# Altium PCB 400150.PcbDoc (part 1 of 3)
Units mil, origin at the board's own origin, x right, y up, seen from the top; angles counter-clockwise.
Board outline 4000 x 2500 mil, 4 copper layers (Top Layer, Mid-Layer 1, Mid-Layer 2, Bottom Layer), stack 62.293 mil thick; 195 components, 149 nets, 903 pads, 605 vias.
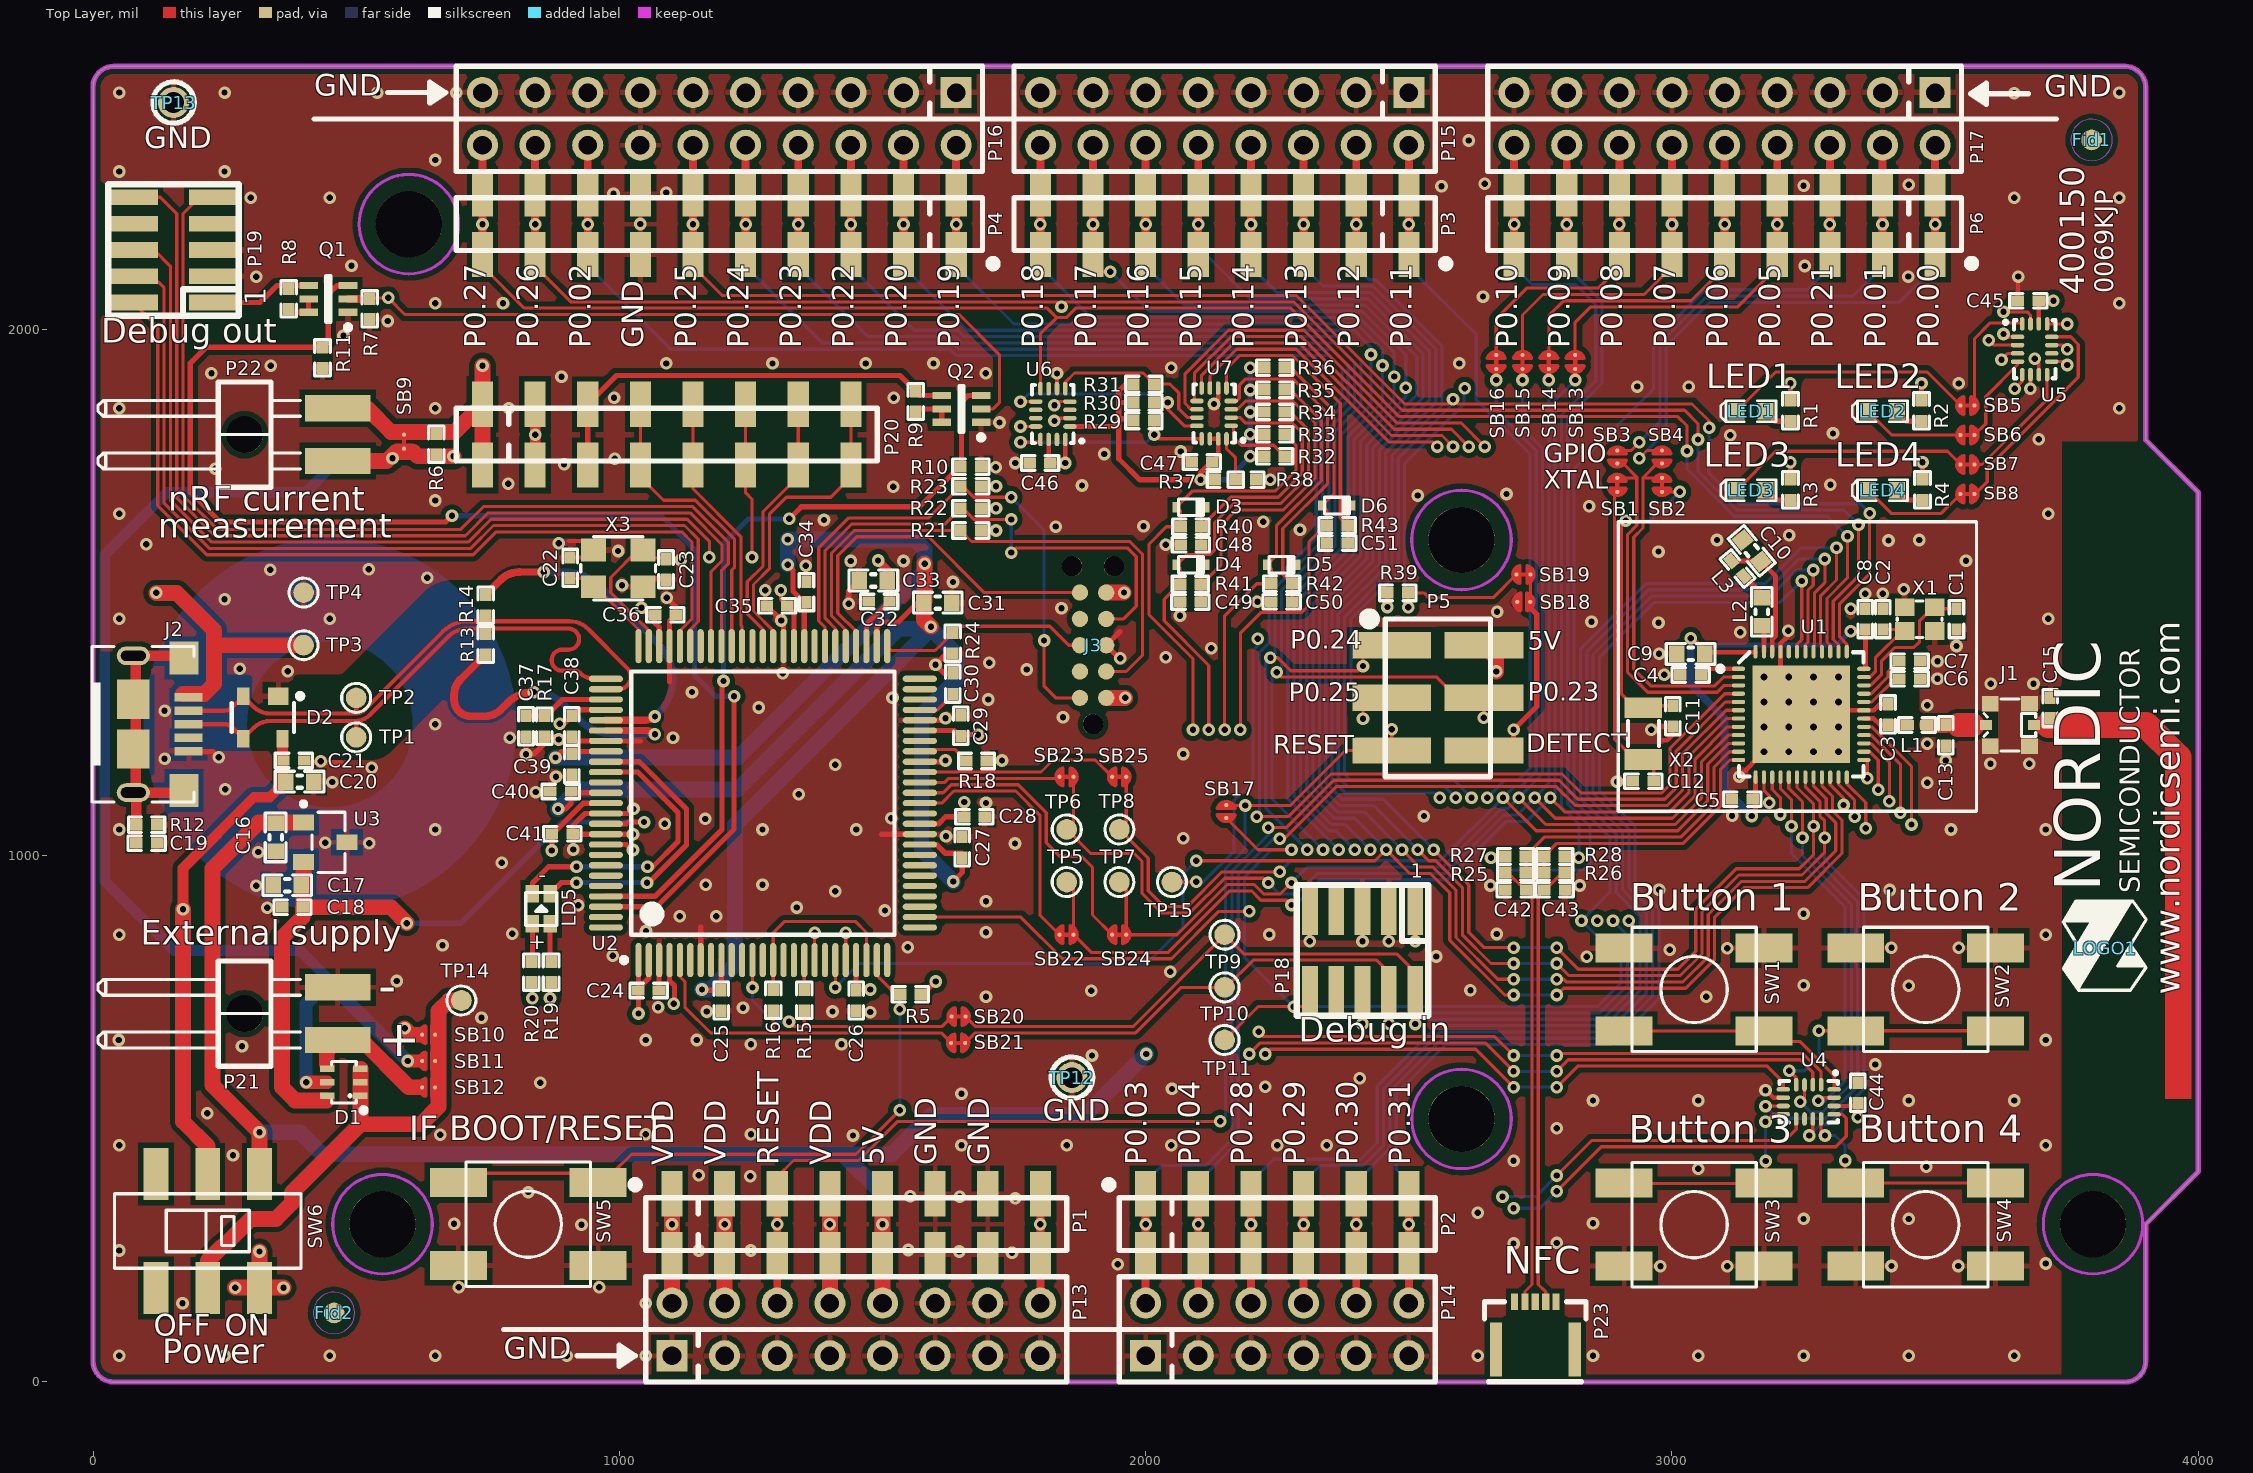
[diagram p0: Top Layer view]
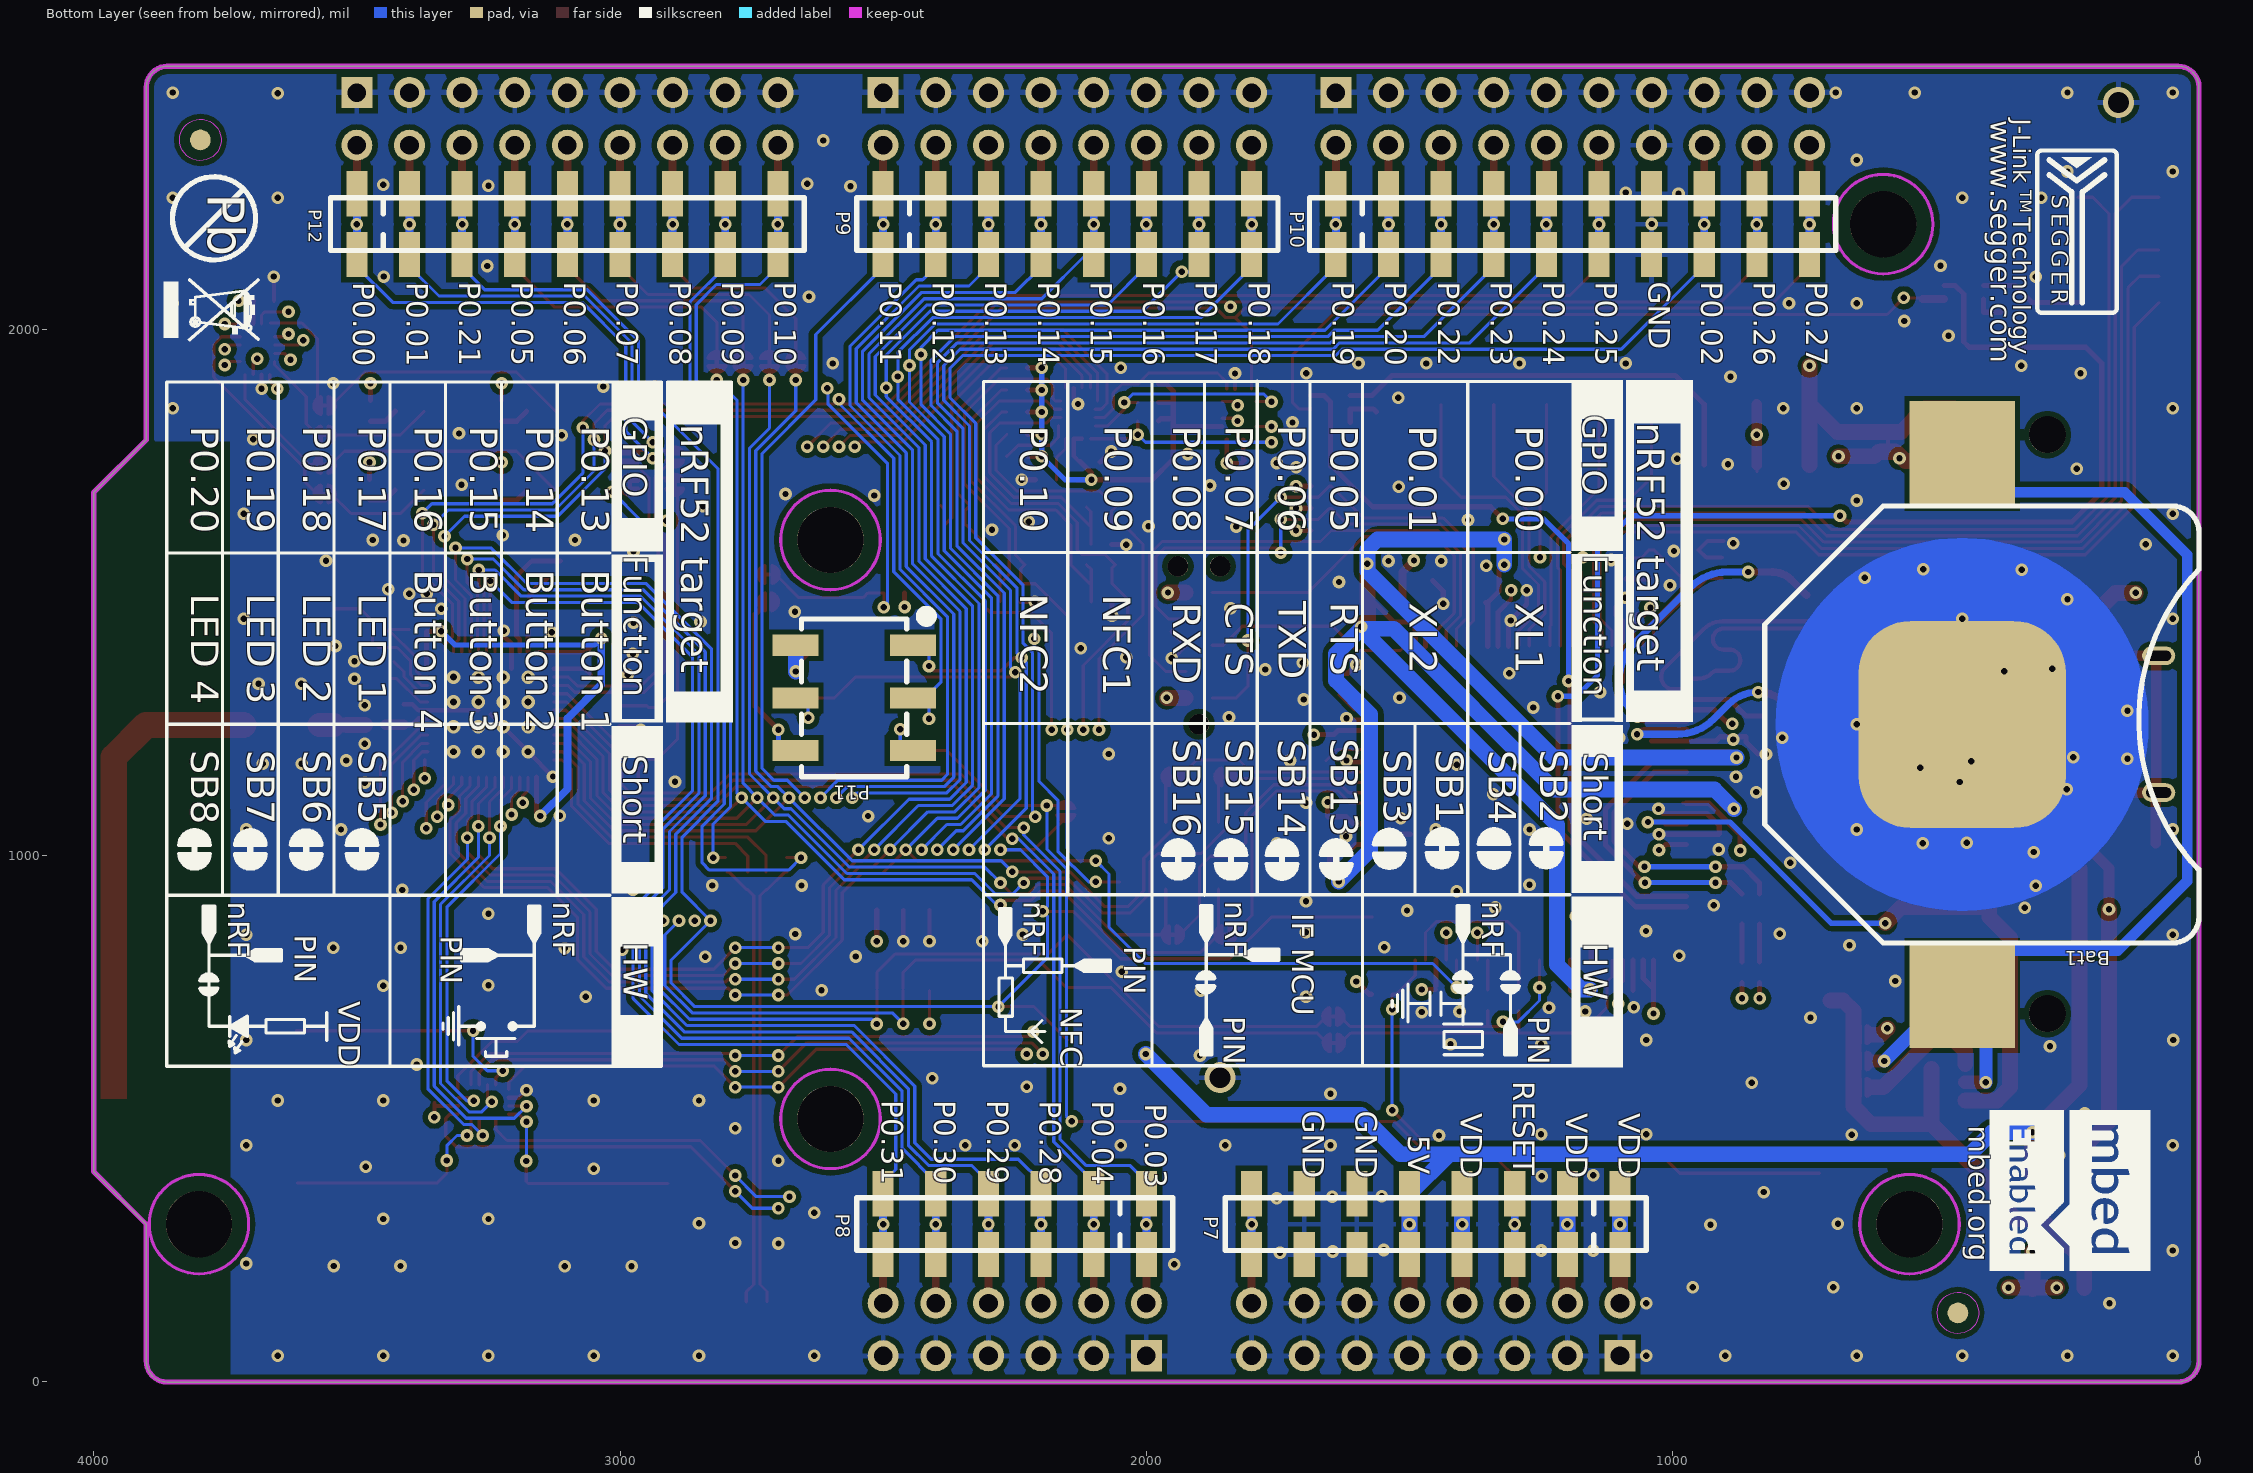
[diagram p1: Bottom Layer view, seen from below]
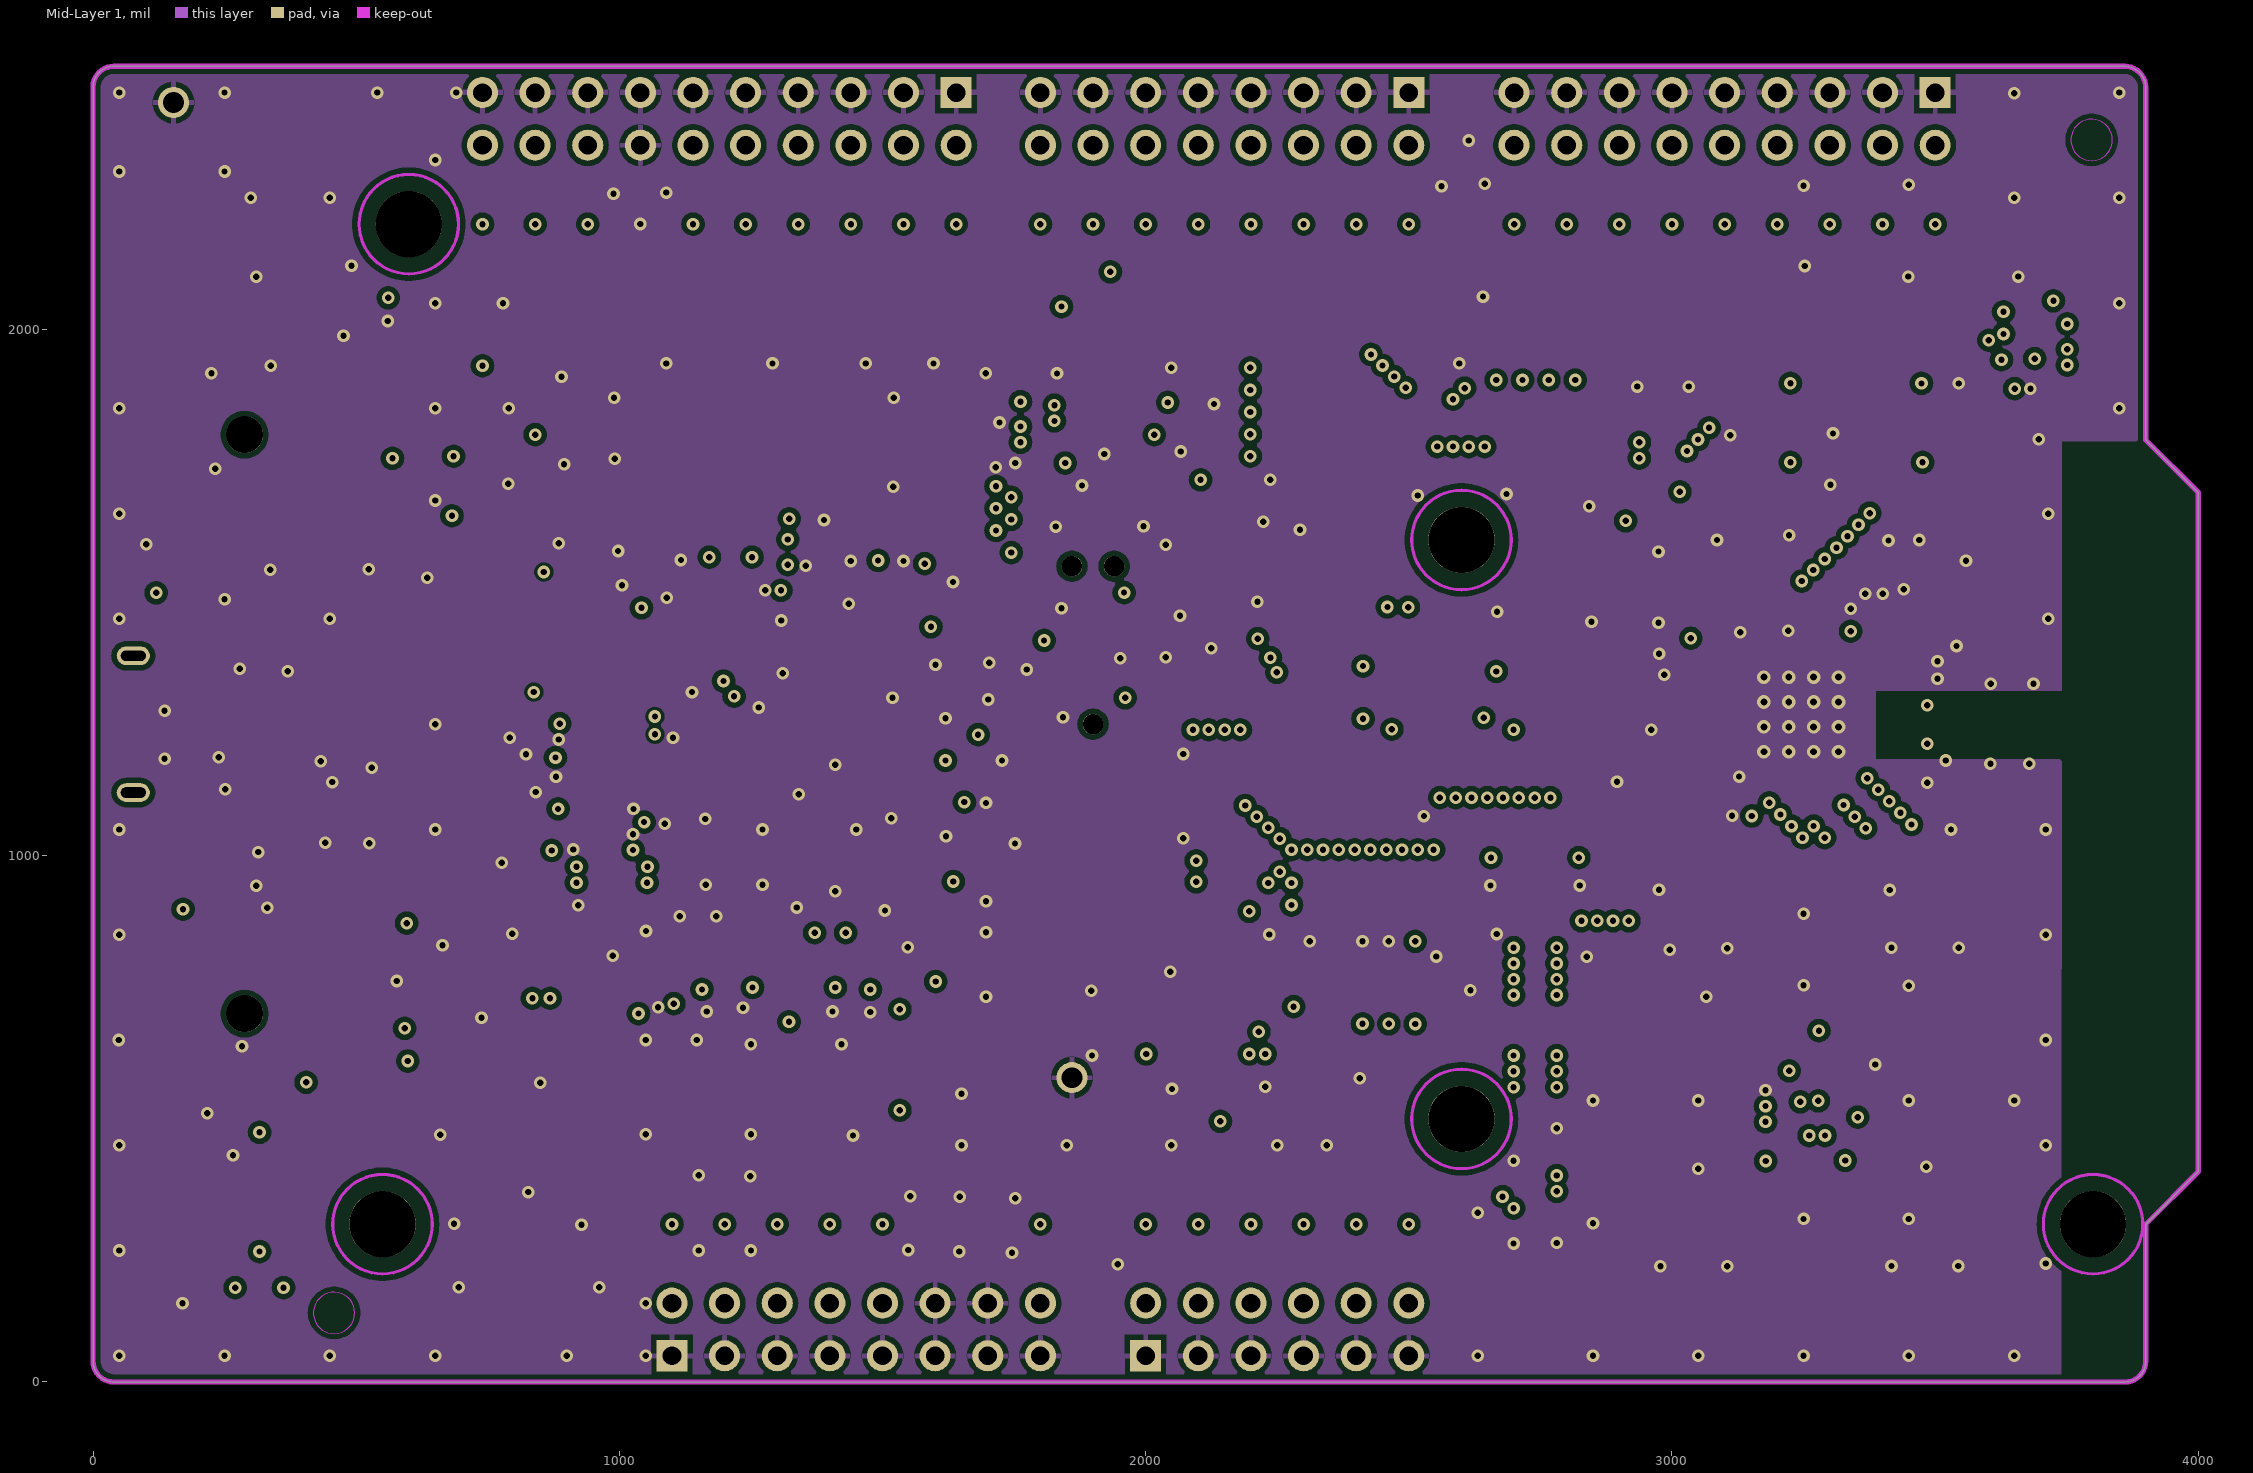
[diagram p2: Mid-Layer 1]
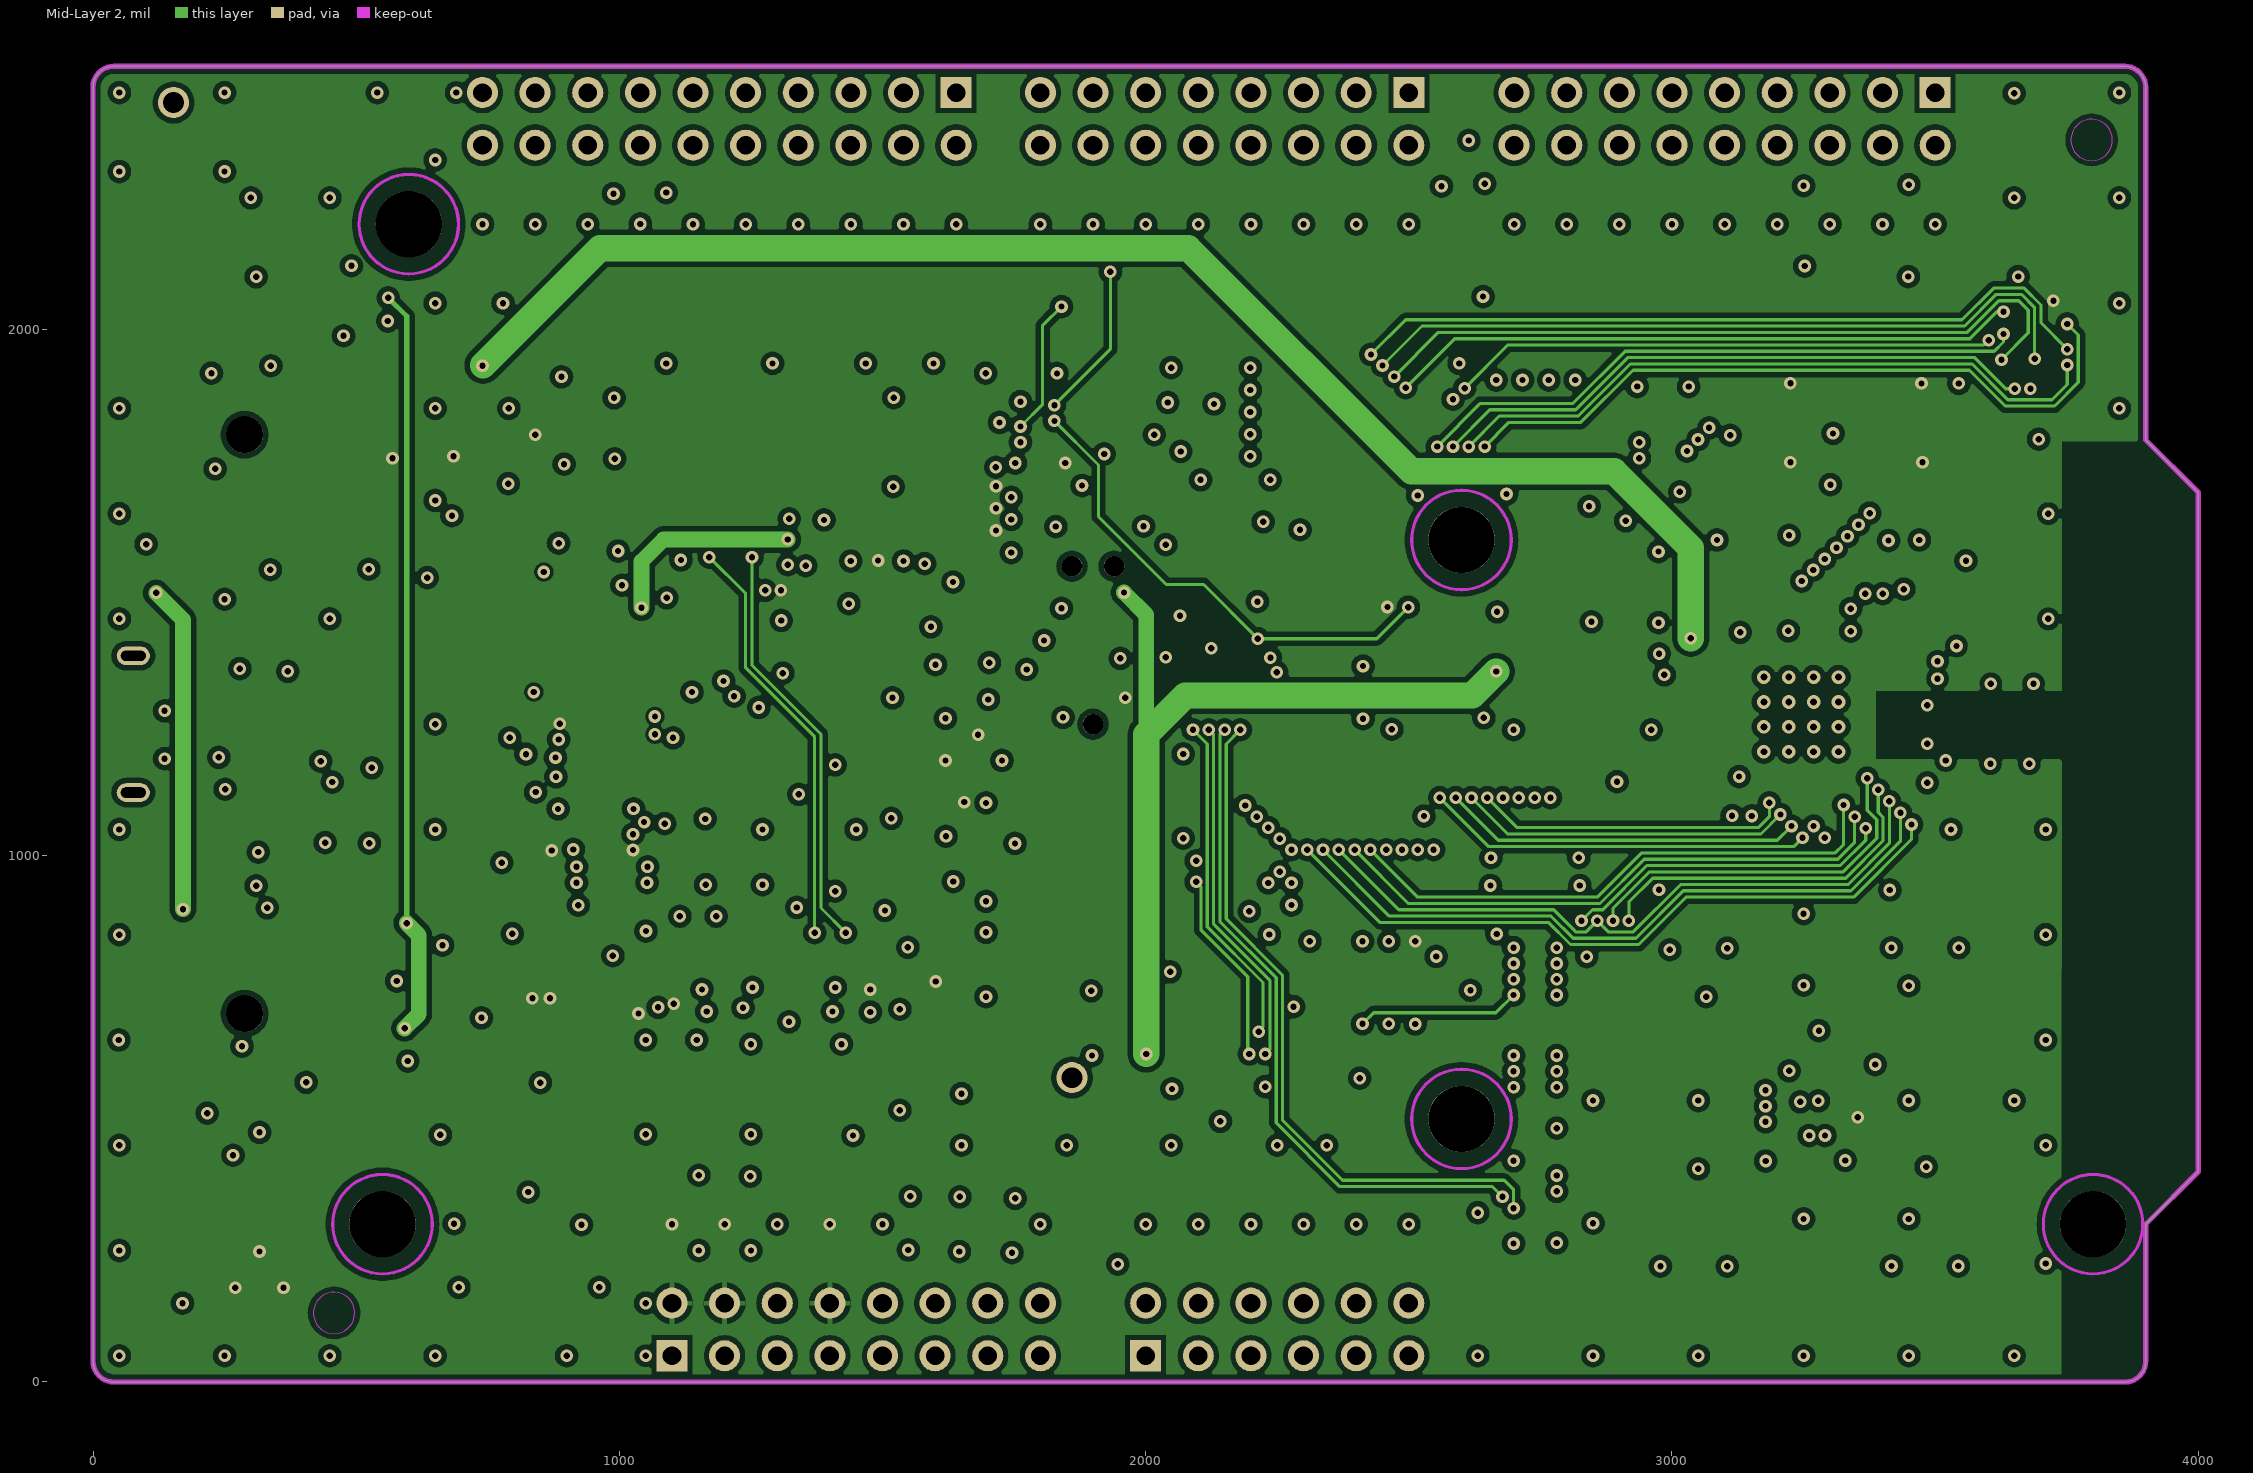
[diagram p3: Mid-Layer 2]
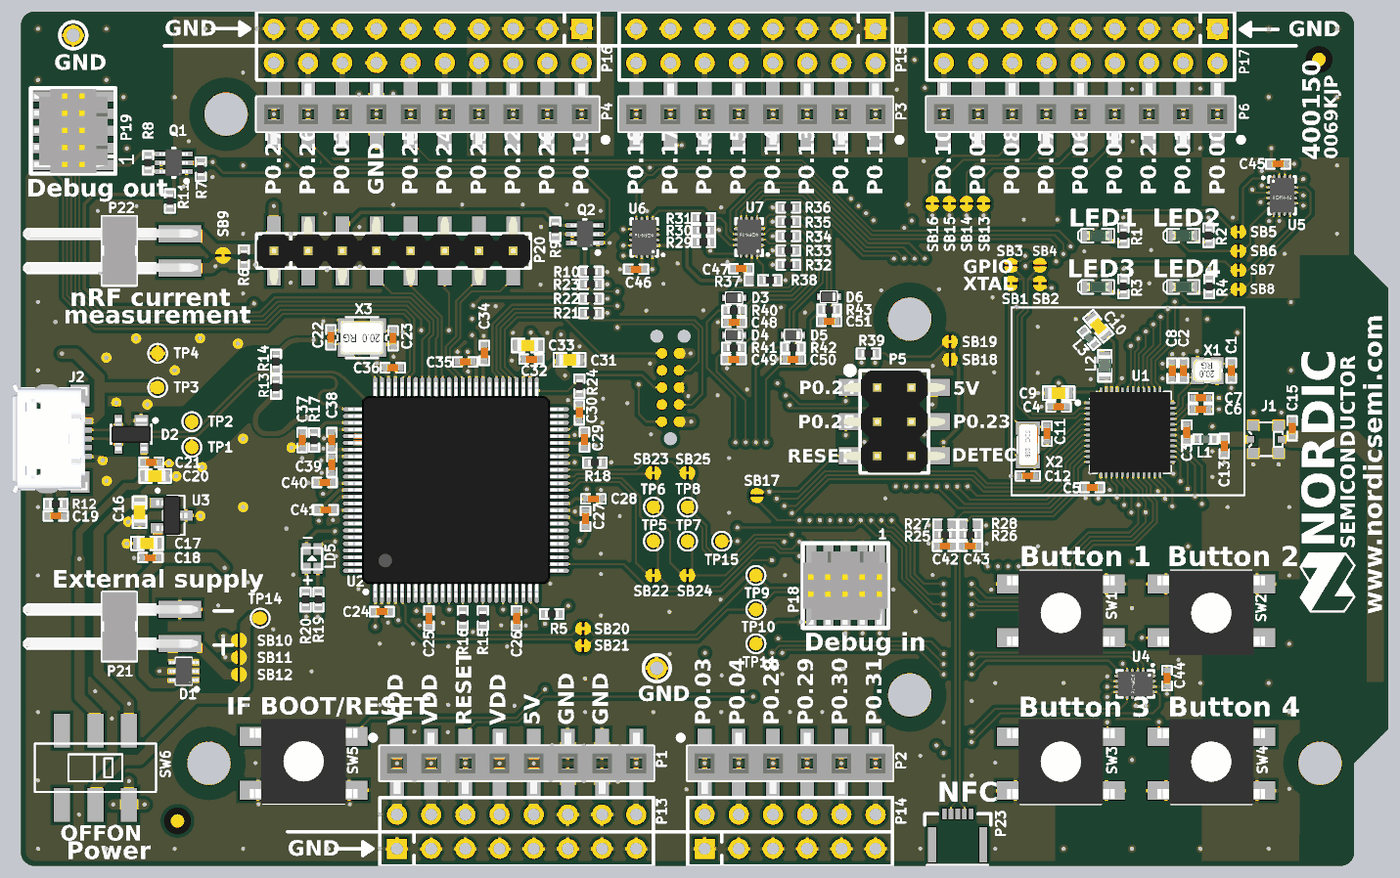
[diagram p6: 3D render of the assembled board from above, using the file's embedded part models]

## Layer stack, top to bottom
Top Solder: solder mask 0.4, Solder Resist, Dk 3.5
Top Layer: signal copper 1.4
Dielectric1: prepreg 7.0866, FR-4, Dk 4.4
Mid-Layer 1: signal copper 1.4
Dielectric2: core 42.5197, FR-4, Dk 4.4
Mid-Layer 2: signal copper 1.4
Dielectric3: prepreg 7.0866, FR-4, Dk 4.4
Bottom Layer: signal copper 1.4
Bottom Solder: solder mask 0.4, Solder Resist, Dk 3.5

## Board outline
0,39.6 0,2460.6 cw(c39.5,2460.1) 40,2499.6 3860,2499.6 cw(c3860,2459.6) 3900,2459.6 3900,1789.6 4000,1689.6 4000,399.6 3900,299.6 3900,39.6 cw(c3860.5,39.1) 3861,-0.4 40,-0.4 cw(c40,39.6)

## Design rules (kind name [scope] priority, off if disabled: settings)
Clearance USB_Poly_Clearance [(InNamedPolygon('Top_Layer-GND')) vs (OnLayer('Mechanical 3'))] p1: gap=10
Clearance USB_Clearance [(InDifferentialPairClass('All Differential Pairs'))] p2: gap=6
Clearance ANT_Clerance [InNet('ANT') or InNet('RF')] p3: gap=8
Clearance Polygon_Clearance [(InNamedPolygon('Top_Layer-GND')) or (InNamedPolygon('Bottom_Layer-GND')) or (InNamedPolygon('Mid_Layer_1-GND')) or (InNamedPolygon('Mid_Layer_2-VIO'))] p4: gap=10
Clearance SB_Clearance [HasFootprint('Solderbridge') or HasFootprint('QFN40P180X140X55-10N')] p5: gap=5
Clearance CSP_Clearance [HasFootprint('BGA4C40P2X2_76X76X62')] p6: gap=5
Clearance P23_Clearance [HasFootprint('Molex 051281-0594')] p7: gap=5
Clearance [All] p8: gap=6
ComponentClearance [All] p1 off: gap=10 collisioncheckmode=3 verticalgap=10 showdistances=FALSE
DiffPairsRouting [All] p1: maxlimit=10 minlimit=5.91 mostfreqgap=10 toplayer_maxgap=5.91 toplayer_prefgap=5.91 toplayer_minwidth=8 toplayer_maxwidth=15 toplayer_prefwidth=15 midlayer1_mingap=10 midlayer1_minwidth=8 midlayer1_maxwidth=15 midlayer1_prefwidth=15 midlayer2_mingap=10 midlayer2_minwidth=8 midlayer2_maxwidth=15 midlayer2_prefwidth=15 bottomlayer_maxgap=5.91 bottomlayer_prefgap=5.91 bottomlayer_minwidth=8 bottomlayer_maxwidth=15 bottomlayer_prefwidth=15 maxuncoupledlength=500
FabricationTestPointUsage TestPointUsage [All] p1: valid=0 allowmultiple=FALSE
FabricationTestpoint Testpoint [All] p1: side=3 testpointundercomponent=TRUE minsize=40 maxsize=100 preferedsize=60 minholesize=0 maxholesize=40 preferedholesize=32 testpointgrid=1 allowsidetop=TRUE allowsidebottom=TRUE usegrid=TRUE gridtolerance=0.01
Height [All] p1 off: minheight=0 maxheight=1000 prefheight=500
HoleSize [All] p1: absolutevalues=TRUE maxlimit=196.85 minlimit=12 maxpercent=80.000 minpercent=20.000
MinimumAnnularRing [All] p1 off: minimumring=6
PolygonConnect PolygonConnect_1 [isVia and innet(gnd) or isVia and innet(VIO) or HasFootprint('COAXIAL-SWF')] p1: connectstyle=Direct reliefconductorwidth=10 reliefentries=4 polygonreliefangle="90 Angle" airgapwidth=10
PolygonConnect [All] p2: connectstyle=Relief reliefconductorwidth=10 reliefentries=4 polygonreliefangle="90 Angle" airgapwidth=10
RoutingVias [All] p1: holewidth=12 width=24 viastyle="Through Hole" minholewidth=12 minwidth=24 maxholewidth=28 maxwidth=50
SilkToSolderMaskClearance SilkscreenOverComponentPads [IsPad] p1: minsilkscreentomaskgap=10 clearancetoexposedcopper=TRUE
SolderMaskExpansion [All] p1: expansion=3
Width [All] p1: maxlimit=400 minlimit=6 preferedwidth=6 minimp=50.000000 maximp=50.000000 favimp=50.000000
23 further rules are at their usual default settings.

## Classes and differential pairs
component class pca10040_sheet0_cover: Fid1 Fid2 LOGO1
component class pca10040_sheet1_radio: C1 C2 C3 C4 C5 C6 C7 C8 C9 C10 C11 C12 C13 C15 C42 C43 J1 L1 L2 L3 P23 R25 R26 R27 R28 SB1 SB2 SB3 SB4 U1 X1 X2
component class pca10040_sheet5_power_supply: Bat1 C16 C17 C18 D1 P21 P22 R6 SB9 SB10 SB11 SB12 SW6 TP12 TP13 TP14 U3
component class pca10040_sheet2_interface_mcu: C22 C23 C24 C25 C26 C27 C28 C29 C30 C31 C32 C33 C34 C35 C36 C37 C38 C39 C40 C41 LD5 Q1 Q2 R7 R8 R9 R10 R11 R15 R16 R17 R18 R19 R20 SB20 SB21 SB22 SB23 SB24 SB25 TP5 TP6 TP7 TP8 TP9 TP10 TP11 U2 X3
component class pca10040_sheet4_connectors: C19 C20 C21 D2 J2 J3 P1 P2 P3 P4 P5 P6 P7 P8 P9 P10 P11 P12 P13 P14 P15 P16 P17 P18 P19 P20 R12 R13 R14 R21 R22 R23 R24 R39 SB13 SB14 SB15 SB16 SB17 SB18 SB19 TP1 TP2 TP3 TP4 TP15
component class pca10040_sheet3_buttons_and_leds: C44 C45 C46 C47 C48 C49 C50 C51 D3 D4 D5 D6 LED1 LED2 LED3 LED4 R1 R2 R3 R4 R5 R29 R30 R31 R32 R33 R34 R35 R36 R37 R38 R40 R41 R42 R43 SB5 SB6 SB7 SB8 SW1 SW2 SW3 SW4 SW5 U4 U5 U6 U7
differential pair DHSD: +DHSD_P -DHSD_N
differential pair DFSD: +DFSD_P -DFSD_N
